# EAGLE board Mk4 Final Panel 8up 4x2 (EAGLE 9.0.1), part 4 of 23
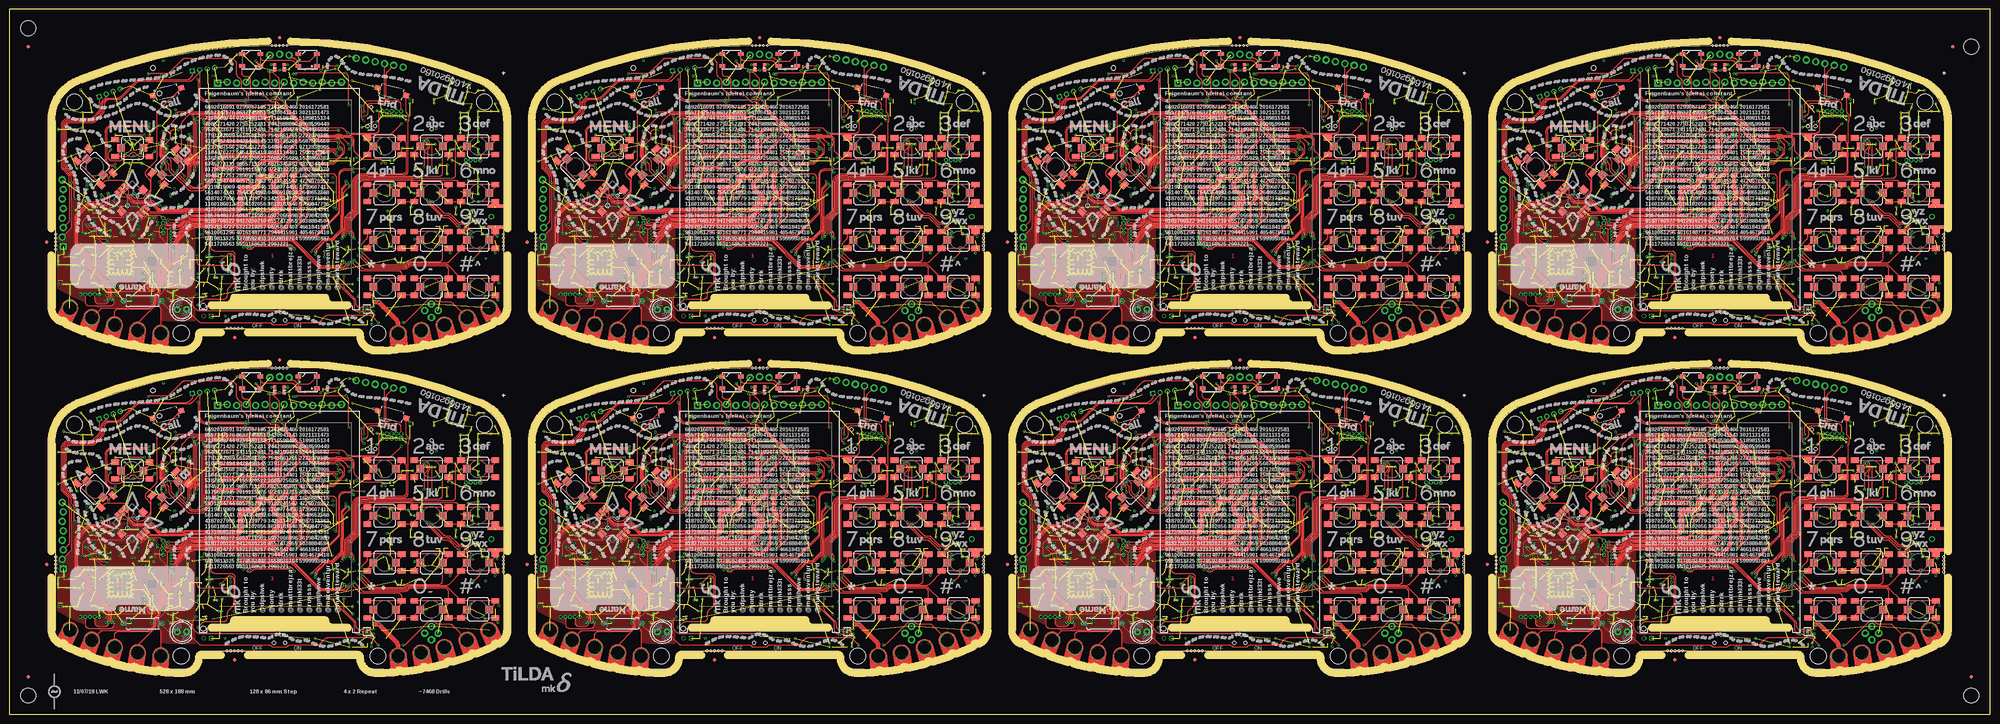
[diagram p0: board, top side]
## Placement (x,y rotation side) (continued)
S166  3X6X2.5  [TACTILE_SWITCH_SMD_3X6X2.5H]  468,106.25 180 bottom
S167  3X6X2.5  [TACTILE_SWITCH_SMD_3X6X2.5H]  444,106.25 180 bottom
S168  AYZ0202AGRLC  [AYZ-JS-COMBINED]  496.5,157.5 90 bottom
SW1  JOYSTICK  [JOYSTICK_MULTICOMP_NOSILK]  32.8,51 315 top
SW2  JOYSTICK  [JOYSTICK_MULTICOMP_NOSILK]  160.8,51 315 top
SW3  JOYSTICK  [JOYSTICK_MULTICOMP_NOSILK]  32.8,137 315 top
SW4  JOYSTICK  [JOYSTICK_MULTICOMP_NOSILK]  160.8,137 315 top
SW5  JOYSTICK  [JOYSTICK_MULTICOMP_NOSILK]  288.8,51 315 top
SW6  JOYSTICK  [JOYSTICK_MULTICOMP_NOSILK]  416.8,51 315 top
SW7  JOYSTICK  [JOYSTICK_MULTICOMP_NOSILK]  288.8,137 315 top
SW8  JOYSTICK  [JOYSTICK_MULTICOMP_NOSILK]  416.8,137 315 top
TP1  TP  [B1,27]  64.4,72.7 0 bottom
TP2  TP  [B1,27]  100,53.5 0 bottom
TP3  TP  [B1,27]  99.5,51.75 0 bottom
TP4  TP  [B1,27]  98.25,50.5 0 bottom
TP5  TP  [B1,27]  99.75,49.25 0 bottom
TP6  TP  [B1,27]  90,88 270 bottom
TP7  TP  [B1,27]  75.75,86 0 bottom
TP8  TP  [B1,27]  99.75,47.25 0 bottom
TP9  TP  [B1,27]  99.75,45.25 0 bottom
TP10  TP  [B1,27]  100,55.25 0 bottom
TP11  TP  [B1,27]  98,44.5 0 bottom
TP12  TP  [B1,27]  98.5,42.75 0 bottom
TP13  TP  [B1,27]  98.5,41 0 bottom
TP14  TP  [B1,27]  56,29 0 bottom
TP15  TP  [B1,27]  54,25.5 0 bottom
TP16  TP  [B1,27]  45.5,34 0 bottom
TP17  TP  [B1,27]  43.75,34 0 bottom
TP18  TP  [B1,27]  58,27.5 0 bottom
TP19  TP  [P1-06-OCT-CAN]  34.6,29.2 0 bottom
TP20  TP  [B1,27]  192.4,72.7 0 bottom
TP21  TP  [B1,27]  228,53.5 0 bottom
TP22  TP  [B1,27]  227.5,51.75 0 bottom
TP23  TP  [B1,27]  226.25,50.5 0 bottom
TP24  TP  [B1,27]  227.75,49.25 0 bottom
TP25  TP  [B1,27]  218,88 270 bottom
TP26  TP  [B1,27]  203.75,86 0 bottom
TP27  TP  [B1,27]  227.75,47.25 0 bottom
TP28  TP  [B1,27]  227.75,45.25 0 bottom
TP29  TP  [B1,27]  228,55.25 0 bottom
TP30  TP  [B1,27]  226,44.5 0 bottom
TP31  TP  [B1,27]  226.5,42.75 0 bottom
TP32  TP  [B1,27]  226.5,41 0 bottom
TP33  TP  [B1,27]  184,29 0 bottom
TP34  TP  [B1,27]  182,25.5 0 bottom
TP35  TP  [B1,27]  173.5,34 0 bottom
TP36  TP  [B1,27]  171.75,34 0 bottom
TP37  TP  [B1,27]  186,27.5 0 bottom
TP38  TP  [P1-06-OCT-CAN]  162.6,29.2 0 bottom
TP39  TP  [B1,27]  64.4,158.7 0 bottom
TP40  TP  [B1,27]  100,139.5 0 bottom
TP41  TP  [B1,27]  99.5,137.75 0 bottom
TP42  TP  [B1,27]  98.25,136.5 0 bottom
TP43  TP  [B1,27]  99.75,135.25 0 bottom
TP44  TP  [B1,27]  90,174 270 bottom
TP45  TP  [B1,27]  75.75,172 0 bottom
TP46  TP  [B1,27]  99.75,133.25 0 bottom
TP47  TP  [B1,27]  99.75,131.25 0 bottom
TP48  TP  [B1,27]  100,141.25 0 bottom
TP49  TP  [B1,27]  98,130.5 0 bottom
TP50  TP  [B1,27]  98.5,128.75 0 bottom
TP51  TP  [B1,27]  98.5,127 0 bottom
TP52  TP  [B1,27]  56,115 0 bottom
TP53  TP  [B1,27]  54,111.5 0 bottom
TP54  TP  [B1,27]  45.5,120 0 bottom
TP55  TP  [B1,27]  43.75,120 0 bottom
TP56  TP  [B1,27]  58,113.5 0 bottom
TP57  TP  [P1-06-OCT-CAN]  34.6,115.2 0 bottom
TP58  TP  [B1,27]  192.4,158.7 0 bottom
TP59  TP  [B1,27]  228,139.5 0 bottom
TP60  TP  [B1,27]  227.5,137.75 0 bottom
TP61  TP  [B1,27]  226.25,136.5 0 bottom
TP62  TP  [B1,27]  227.75,135.25 0 bottom
TP63  TP  [B1,27]  218,174 270 bottom
TP64  TP  [B1,27]  203.75,172 0 bottom
TP65  TP  [B1,27]  227.75,133.25 0 bottom
TP66  TP  [B1,27]  227.75,131.25 0 bottom
TP67  TP  [B1,27]  228,141.25 0 bottom
TP68  TP  [B1,27]  226,130.5 0 bottom
TP69  TP  [B1,27]  226.5,128.75 0 bottom
TP70  TP  [B1,27]  226.5,127 0 bottom
TP71  TP  [B1,27]  184,115 0 bottom
TP72  TP  [B1,27]  182,111.5 0 bottom
TP73  TP  [B1,27]  173.5,120 0 bottom
TP74  TP  [B1,27]  171.75,120 0 bottom
TP75  TP  [B1,27]  186,113.5 0 bottom
TP76  TP  [P1-06-OCT-CAN]  162.6,115.2 0 bottom
TP77  TP  [B1,27]  320.4,72.7 0 bottom
TP78  TP  [B1,27]  356,53.5 0 bottom
TP79  TP  [B1,27]  355.5,51.75 0 bottom
TP80  TP  [B1,27]  354.25,50.5 0 bottom
TP81  TP  [B1,27]  355.75,49.25 0 bottom
TP82  TP  [B1,27]  346,88 270 bottom
TP83  TP  [B1,27]  331.75,86 0 bottom
TP84  TP  [B1,27]  355.75,47.25 0 bottom
TP85  TP  [B1,27]  355.75,45.25 0 bottom
TP86  TP  [B1,27]  356,55.25 0 bottom
TP87  TP  [B1,27]  354,44.5 0 bottom
TP88  TP  [B1,27]  354.5,42.75 0 bottom
TP89  TP  [B1,27]  354.5,41 0 bottom
TP90  TP  [B1,27]  312,29 0 bottom
TP91  TP  [B1,27]  310,25.5 0 bottom
TP92  TP  [B1,27]  301.5,34 0 bottom
TP93  TP  [B1,27]  299.75,34 0 bottom
TP94  TP  [B1,27]  314,27.5 0 bottom
TP95  TP  [P1-06-OCT-CAN]  290.6,29.2 0 bottom
TP96  TP  [B1,27]  448.4,72.7 0 bottom
TP97  TP  [B1,27]  484,53.5 0 bottom
TP98  TP  [B1,27]  483.5,51.75 0 bottom
TP99  TP  [B1,27]  482.25,50.5 0 bottom
TP100  TP  [B1,27]  483.75,49.25 0 bottom
TP101  TP  [B1,27]  474,88 270 bottom
TP102  TP  [B1,27]  459.75,86 0 bottom
TP103  TP  [B1,27]  483.75,47.25 0 bottom
TP104  TP  [B1,27]  483.75,45.25 0 bottom
TP105  TP  [B1,27]  484,55.25 0 bottom
TP106  TP  [B1,27]  482,44.5 0 bottom
TP107  TP  [B1,27]  482.5,42.75 0 bottom
TP108  TP  [B1,27]  482.5,41 0 bottom
TP109  TP  [B1,27]  440,29 0 bottom
TP110  TP  [B1,27]  438,25.5 0 bottom
TP111  TP  [B1,27]  429.5,34 0 bottom
TP112  TP  [B1,27]  427.75,34 0 bottom
TP113  TP  [B1,27]  442,27.5 0 bottom
TP114  TP  [P1-06-OCT-CAN]  418.6,29.2 0 bottom
TP115  TP  [B1,27]  320.4,158.7 0 bottom
TP116  TP  [B1,27]  356,139.5 0 bottom
TP117  TP  [B1,27]  355.5,137.75 0 bottom
TP118  TP  [B1,27]  354.25,136.5 0 bottom
TP119  TP  [B1,27]  355.75,135.25 0 bottom
TP120  TP  [B1,27]  346,174 270 bottom
TP121  TP  [B1,27]  331.75,172 0 bottom
TP122  TP  [B1,27]  355.75,133.25 0 bottom
TP123  TP  [B1,27]  355.75,131.25 0 bottom
TP124  TP  [B1,27]  356,141.25 0 bottom
TP125  TP  [B1,27]  354,130.5 0 bottom
TP126  TP  [B1,27]  354.5,128.75 0 bottom
TP127  TP  [B1,27]  354.5,127 0 bottom
TP128  TP  [B1,27]  312,115 0 bottom
TP129  TP  [B1,27]  310,111.5 0 bottom
TP130  TP  [B1,27]  301.5,120 0 bottom
TP131  TP  [B1,27]  299.75,120 0 bottom
TP132  TP  [B1,27]  314,113.5 0 bottom
TP133  TP  [P1-06-OCT-CAN]  290.6,115.2 0 bottom
TP134  TP  [B1,27]  448.4,158.7 0 bottom
TP135  TP  [B1,27]  484,139.5 0 bottom
TP136  TP  [B1,27]  483.5,137.75 0 bottom
TP137  TP  [B1,27]  482.25,136.5 0 bottom
TP138  TP  [B1,27]  483.75,135.25 0 bottom
TP139  TP  [B1,27]  474,174 270 bottom
TP140  TP  [B1,27]  459.75,172 0 bottom
TP141  TP  [B1,27]  483.75,133.25 0 bottom
TP142  TP  [B1,27]  483.75,131.25 0 bottom
TP143  TP  [B1,27]  484,141.25 0 bottom
TP144  TP  [B1,27]  482,130.5 0 bottom
TP145  TP  [B1,27]  482.5,128.75 0 bottom
TP146  TP  [B1,27]  482.5,127 0 bottom
TP147  TP  [B1,27]  440,115 0 bottom
TP148  TP  [B1,27]  438,111.5 0 bottom
TP149  TP  [B1,27]  429.5,120 0 bottom
TP150  TP  [B1,27]  427.75,120 0 bottom
TP151  TP  [B1,27]  442,113.5 0 bottom
TP152  TP  [P1-06-OCT-CAN]  418.6,115.2 0 bottom
U1  ZX62-B-5PA(33)  [USB-AB-MICRO-SMD_LWK]  82.4,90 274 bottom
U2  ZX62-B-5PA(33)  [USB-AB-MICRO-SMD_LWK]  210.4,90 274 bottom
U3  MIC-6MM  [MIC-SMD-6MM]  235.5,82 270 bottom
U4  MIC-6MM  [MIC-SMD-6MM]  107.5,82 270 bottom
U5  LDMS1540S-01-R8-0.8-R  [SPEAKER-15MM-SMD]  20.25,66.5 270 bottom
U6  LDMS1540S-01-R8-0.8-R  [SPEAKER-15MM-SMD]  148.25,66.5 270 bottom
U7  ZX62-B-5PA(33)  [USB-AB-MICRO-SMD_LWK]  82.4,176 274 bottom
U8  MIC-6MM  [MIC-SMD-6MM]  107.5,168 270 bottom
U9  LDMS1540S-01-R8-0.8-R  [SPEAKER-15MM-SMD]  20.25,152.5 270 bottom
U10  ZX62-B-5PA(33)  [USB-AB-MICRO-SMD_LWK]  210.4,176 274 bottom
U11  MIC-6MM  [MIC-SMD-6MM]  235.5,168 270 bottom
U12  LDMS1540S-01-R8-0.8-R  [SPEAKER-15MM-SMD]  148.25,152.5 270 bottom
U13  ZX62-B-5PA(33)  [USB-AB-MICRO-SMD_LWK]  338.4,90 274 bottom
U14  MIC-6MM  [MIC-SMD-6MM]  363.5,82 270 bottom
U15  LDMS1540S-01-R8-0.8-R  [SPEAKER-15MM-SMD]  276.25,66.5 270 bottom
U16  ZX62-B-5PA(33)  [USB-AB-MICRO-SMD_LWK]  466.4,90 274 bottom
U17  MIC-6MM  [MIC-SMD-6MM]  491.5,82 270 bottom
U18  LDMS1540S-01-R8-0.8-R  [SPEAKER-15MM-SMD]  404.25,66.5 270 bottom
U19  ZX62-B-5PA(33)  [USB-AB-MICRO-SMD_LWK]  338.4,176 274 bottom
U20  MIC-6MM  [MIC-SMD-6MM]  363.5,168 270 bottom
U21  LDMS1540S-01-R8-0.8-R  [SPEAKER-15MM-SMD]  276.25,152.5 270 bottom
U22  ZX62-B-5PA(33)  [USB-AB-MICRO-SMD_LWK]  466.4,176 274 bottom
U23  MIC-6MM  [MIC-SMD-6MM]  491.5,168 270 bottom
U24  LDMS1540S-01-R8-0.8-R  [SPEAKER-15MM-SMD]  404.25,152.5 270 bottom
U$1  LOGO-SEEEDSTUDIO-SILK  [LOGO_SILK]  190,88 0 bottom
U$2  LOGO-SEEEDSTUDIO-SILK  [LOGO_SILK]  62,174 0 bottom
U$3  LOGO-SEEEDSTUDIO-SILK  [LOGO_SILK]  190,174 0 bottom
U$4  LOGO-SEEEDSTUDIO-SILK  [LOGO_SILK]  318,88 0 bottom
U$5  LOGO-SEEEDSTUDIO-SILK  [LOGO_SILK]  62,88 0 bottom
U$6  LOGO-SEEEDSTUDIO-SILK  [LOGO_SILK]  446,88 0 bottom
U$7  LOGO-SEEEDSTUDIO-SILK  [LOGO_SILK]  318,174 0 bottom
U$8  LOGO-SEEEDSTUDIO-SILK  [LOGO_SILK]  446,174 0 bottom
X1  ABS07-32.768KHZ-T  [RESONATOR_EPSON_FC_145]  66.4,76.75 180 bottom
X2  ABM8G-25.000MHZ-B4Y-T  [CRYSTAL-3.2-2.5]  74.75,78.55 180 bottom
X3  ABS07-32.768KHZ-T  [RESONATOR_EPSON_FC_145]  38,34.75 90 bottom
X4  ABM8-40.000MHZ-10-1-U-T  [CRYSTAL-3.2-2.5]  20.8,31.25 270 bottom
X5  ABS07-32.768KHZ-T  [RESONATOR_EPSON_FC_145]  194.4,76.75 180 bottom
X6  ABM8G-25.000MHZ-B4Y-T  [CRYSTAL-3.2-2.5]  202.75,78.55 180 bottom
X7  ABS07-32.768KHZ-T  [RESONATOR_EPSON_FC_145]  166,34.75 90 bottom
X8  ABM8-40.000MHZ-10-1-U-T  [CRYSTAL-3.2-2.5]  148.8,31.25 270 bottom
X9  ABS07-32.768KHZ-T  [RESONATOR_EPSON_FC_145]  66.4,162.75 180 bottom
X10  ABM8G-25.000MHZ-B4Y-T  [CRYSTAL-3.2-2.5]  74.75,164.55 180 bottom
X11  ABS07-32.768KHZ-T  [RESONATOR_EPSON_FC_145]  38,120.75 90 bottom
X12  ABM8-40.000MHZ-10-1-U-T  [CRYSTAL-3.2-2.5]  20.8,117.25 270 bottom
X13  ABS07-32.768KHZ-T  [RESONATOR_EPSON_FC_145]  194.4,162.75 180 bottom
X14  ABM8G-25.000MHZ-B4Y-T  [CRYSTAL-3.2-2.5]  202.75,164.55 180 bottom
X15  ABS07-32.768KHZ-T  [RESONATOR_EPSON_FC_145]  166,120.75 90 bottom
X16  ABM8-40.000MHZ-10-1-U-T  [CRYSTAL-3.2-2.5]  148.8,117.25 270 bottom
X17  ABS07-32.768KHZ-T  [RESONATOR_EPSON_FC_145]  322.4,76.75 180 bottom
X18  ABM8G-25.000MHZ-B4Y-T  [CRYSTAL-3.2-2.5]  330.75,78.55 180 bottom
X19  ABS07-32.768KHZ-T  [RESONATOR_EPSON_FC_145]  294,34.75 90 bottom
X20  ABM8-40.000MHZ-10-1-U-T  [CRYSTAL-3.2-2.5]  276.8,31.25 270 bottom
X21  ABS07-32.768KHZ-T  [RESONATOR_EPSON_FC_145]  450.4,76.75 180 bottom
X22  ABM8G-25.000MHZ-B4Y-T  [CRYSTAL-3.2-2.5]  458.75,78.55 180 bottom
X23  ABS07-32.768KHZ-T  [RESONATOR_EPSON_FC_145]  422,34.75 90 bottom
X24  ABM8-40.000MHZ-10-1-U-T  [CRYSTAL-3.2-2.5]  404.8,31.25 270 bottom
X25  ABS07-32.768KHZ-T  [RESONATOR_EPSON_FC_145]  322.4,162.75 180 bottom
X26  ABM8G-25.000MHZ-B4Y-T  [CRYSTAL-3.2-2.5]  330.75,164.55 180 bottom
X27  ABS07-32.768KHZ-T  [RESONATOR_EPSON_FC_145]  294,120.75 90 bottom
X28  ABM8-40.000MHZ-10-1-U-T  [CRYSTAL-3.2-2.5]  276.8,117.25 270 bottom
X29  ABS07-32.768KHZ-T  [RESONATOR_EPSON_FC_145]  450.4,162.75 180 bottom
X30  ABM8G-25.000MHZ-B4Y-T  [CRYSTAL-3.2-2.5]  458.75,164.55 180 bottom
X31  ABS07-32.768KHZ-T  [RESONATOR_EPSON_FC_145]  422,120.75 90 bottom
X32  ABM8-40.000MHZ-10-1-U-T  [CRYSTAL-3.2-2.5]  404.8,117.25 270 bottom

## Library data of the parts
ANT1-ANT16 ARTWORK3-ARTWORK7 ARTWORK10-ARTWORK14 ARTWORK17-ARTWORK21 ARTWORK24-ARTWORK28 ARTWORK31-ARTWORK35 ARTWORK38-ARTWORK42 ARTWORK45-ARTWORK49 ARTWORK52-ARTWORK56 BATT BATT1-BATT7 C1-C31 C33-C71 C78 C79 C81-C141 C143-C172 C179 C180 C182-C249 C251-C280 C287 C288 C290-C357 C359-C388 C395 C396 C398-C465 C467-C496 C503 C504 C506-C573 C575-C604 C611 C612 C614-C681 C683-C712 C719 C720 C722-C789 C791-C820 C827 C828 C830-C864 D1-D16 E$4 E$11 FL1-FL8 IC1-IC144 J1 J2 J4-J6 J8-J12 J14-J18 J20-J22 J24-J28 J30-J32 J34-J38 J40-J42 J44-J48 J50-J52 J54-J58 J60-J62 J64-J68 J70-J72 J74-J78 J80 JP1 JP5 JP6 JP8 JP15-JP18 JP24-JP27 JP33-JP36 JP42-JP45 JP51-JP54 JP60-JP63 JP69-JP72 L1-L72 LCD LCD1-LCD7 LED1 LED2 LED7 LED8 LED13 LED14 LED19 LED20 LED25 LED26 LED31 LED32 LED37 LED38 LED43 LED44 LOGO1-LOGO40 PCB PCB1-PCB7 Q1-Q32 R1-R10 R12-R74 R76-R94 R96-R155 R157-R172 R174-R233 R235-R250 R252-R311 R313-R328 R330-R389 R391-R406 R408-R467 R469-R484 R486-R545 R547-R562 R564-R623 S1-S19 S21-S40 S42-S61 S63-S82 S84-S103 S105-S124 S126-S145 S147-S166 S168 SW1-SW8 TP19 TP38 TP57 TP76 TP95 TP114 TP133 TP152 U1-U24 X1-X32 = TiLDA Mk4 Parts
ARTWORK1 ARTWORK2 ARTWORK8 ARTWORK9 ARTWORK15 ARTWORK16 ARTWORK22 ARTWORK23 ARTWORK29 ARTWORK30 ARTWORK36 ARTWORK37 ARTWORK43 ARTWORK44 ARTWORK50 ARTWORK51 C32 C72-C77 C80 C142 C173-C178 C181 C250 C281-C286 C289 C358 C389-C394 C397 C466 C497-C502 C505 C574 C605-C610 C613 C682 C713-C718 C721 C790 C821-C826 C829 FID1-FID48 J3 J13 J23 J33 J43 J53 J63 J73 JP2-JP4 JP7 JP9-JP14 JP19-JP23 JP28-JP32 JP37-JP41 JP46-JP50 JP55-JP59 JP64-JP68 LAYERS1-LAYERS8 LED5 LED11 LED17 LED23 LED29 LED35 LED41 LED47 R11 R75 R95 R156 R173 R234 R251 R312 R329 R390 R407 R468 R485 R546 R563 R624 S20 S41 S62 S83 S104 S125 S146 S167 = TiLDA Mk4 Parts; DNP: Y
E$1-E$3 E$5-E$10 = TiLDA Mk3 Parts
J7 J19 J29 J39 J49 J59 J69 J79 = CISECO eaglecad designs
LED3 LED6 LED9 LED12 LED15 LED18 LED21 LED24 LED27 LED30 LED33 LED36 LED39 LED42 LED45 LED48 = TiLDA Mk4 Parts; COLOUR: RED
LED4 LED10 LED16 LED22 LED28 LED34 LED40 LED46 = TiLDA Mk4 Parts; COLOUR: GREEN
TP1 TP20 TP39 TP58 TP77 TP96 TP115 TP134 = TiLDA Mk4 Parts; TP_SIGNAL_NAME: !HIB
TP2 TP21 TP40 TP59 TP78 TP97 TP116 TP135 = TiLDA Mk4 Parts; TP_SIGNAL_NAME: SIM_DTR
TP3 TP22 TP41 TP60 TP79 TP98 TP117 TP136 = TiLDA Mk4 Parts; TP_SIGNAL_NAME: SIM_DCD
TP4 TP23 TP42 TP61 TP80 TP99 TP118 TP137 = TiLDA Mk4 Parts; TP_SIGNAL_NAME: SIM_CTS
TP5 TP24 TP43 TP62 TP81 TP100 TP119 TP138 = TiLDA Mk4 Parts; TP_SIGNAL_NAME: SIM_RTS
TP6 TP25 TP44 TP63 TP82 TP101 TP120 TP139 = TiLDA Mk4 Parts; TP_SIGNAL_NAME: USB_ID
TP7 TP26 TP45 TP64 TP83 TP102 TP121 TP140 = TiLDA Mk4 Parts; TP_SIGNAL_NAME: USB_VBUS
TP8 TP27 TP46 TP65 TP84 TP103 TP122 TP141 = TiLDA Mk4 Parts; TP_SIGNAL_NAME: SIM_RXD
TP9 TP28 TP47 TP66 TP85 TP104 TP123 TP142 = TiLDA Mk4 Parts; TP_SIGNAL_NAME: SIM_TXD
TP10 TP29 TP48 TP67 TP86 TP105 TP124 TP143 = TiLDA Mk4 Parts; TP_SIGNAL_NAME: SIM_RI
TP11 TP30 TP49 TP68 TP87 TP106 TP125 TP144 = TiLDA Mk4 Parts; TP_SIGNAL_NAME: SIM_STATUS
TP12 TP31 TP50 TP69 TP88 TP107 TP126 TP145 = TiLDA Mk4 Parts; TP_SIGNAL_NAME: SIM_NETLIGHT
TP13 TP32 TP51 TP70 TP89 TP108 TP127 TP146 = TiLDA Mk4 Parts; TP_SIGNAL_NAME: SIM_PWR_KEY
TP14 TP33 TP52 TP71 TP90 TP109 TP128 TP147 = TiLDA Mk4 Parts; TP_SIGNAL_NAME: VBAT
TP15 TP34 TP53 TP72 TP91 TP110 TP129 TP148 = TiLDA Mk4 Parts; TP_SIGNAL_NAME: VBATT
TP16 TP35 TP54 TP73 TP92 TP111 TP130 TP149 = TiLDA Mk4 Parts; TP_SIGNAL_NAME: 3V3
TP17 TP36 TP55 TP74 TP93 TP112 TP131 TP150 = TiLDA Mk4 Parts; TP_SIGNAL_NAME: GND
TP18 TP37 TP56 TP75 TP94 TP113 TP132 TP151 = TiLDA Mk4 Parts; TP_SIGNAL_NAME: V_UNREG
U$1-U$8 = TiLDA Mk4 Parts; PARTNO: DNP

## Nets
3V1: C109.2 C110.2 C112.2 C113.2 C114.2 C115.2 C119.2 C120.2 C121.2 C122.2 C123.2 C124.2 C131.2 C132.2 C133.2 C134.2 C135.2 C136.2 C137.2 C138.2 C143.1 C145.1 C153.2 C154.2 C171.2 C172.2 C185.1 C186.2 C196.1 C197.1 C198.1 C199.1 C200.1 C201.1 C210.1 C211.1 C212.1 C215.1 C216.1 IC19.1 IC19.3 IC19.9 IC19.14 IC19.27 IC19.43 IC19.49 IC20.7 IC20.8 IC20.9 IC20.16 IC20.26 IC20.28 IC20.39 IC20.47 IC20.51 IC20.52 IC20.68 IC20.69 IC20.79 IC20.90 IC20.101 IC20.113 IC20.122 IC22.8 IC26.8 IC27.14 IC28.6 IC29.10 IC29.37 IC29.39 IC29.44 IC29.47 IC29.54 IC30.8 IC31.21 IC32.5 IC34.1 IC35.5 IC36.1 J6.1 J6.7 J6.8 J6.9 J6.35 J6.40 J6.41 J6.42 J13.1 J16.3 J16.7 J18.3 J18.7 J20.2 JP10.1 JP12.8 JP12.11 JP12.14 JP17.8 L11.2 PCB1.3V3 R88.2 R89.2 R93.1 R94.1 R95.2 R103.2 R104.2 R105.2 R106.2 R128.2 R134.2 R138.1 R144.1 R145.2 R146.2 R147.2 R151.2 R152.2 SW2.COM TP35.TP
3V2: C217.2 C218.2 C220.2 C221.2 C222.2 C223.2 C227.2 C228.2 C229.2 C230.2 C231.2 C232.2 C239.2 C240.2 C241.2 C242.2 C243.2 C244.2 C245.2 C246.2 C251.1 C253.1 C261.2 C262.2 C279.2 C280.2 C293.1 C294.2 C304.1 C305.1 C306.1 C307.1 C308.1 C309.1 C318.1 C319.1 C320.1 C323.1 C324.1 IC37.1 IC37.3 IC37.9 IC37.14 IC37.27 IC37.43 IC37.49 IC38.7 IC38.8 IC38.9 IC38.16 IC38.26 IC38.28 IC38.39 IC38.47 IC38.51 IC38.52 IC38.68 IC38.69 IC38.79 IC38.90 IC38.101 IC38.113 IC38.122 IC40.8 IC44.8 IC45.14 IC46.6 IC47.10 IC47.37 IC47.39 IC47.44 IC47.47 IC47.54 IC48.8 IC49.21 IC50.5 IC52.1 IC53.5 IC54.1 J21.1 J21.7 J21.8 J21.9 J21.35 J21.40 J21.41 J21.42 J23.1 J26.3 J26.7 J28.3 J28.7 J30.2 JP19.1 JP21.8 JP21.11 JP21.14 JP26.8 L20.2 PCB2.3V3 R166.2 R167.2 R171.1 R172.1 R173.2 R181.2 R182.2 R183.2 R184.2 R206.2 R212.2 R216.1 R222.1 R223.2 R224.2 R225.2 R229.2 R230.2 SW3.COM TP54.TP
3V3: C2.2 C3.2 C4.2 C5.2 C9.2 C10.2 C11.2 C12.2 C13.2 C14.2 C21.2 C22.2 C23.2 C24.2 C25.2 C26.2 C27.2 C28.2 C33.1 C38.2 C42.2 C43.2 C45.2 C47.1 C58.1 C59.2 C70.2 C71.2 C88.1 C89.1 C90.1 C91.1 C92.1 C93.1 C102.1 C103.1 C104.1 C107.1 C108.1 IC1.7 IC1.8 IC1.9 IC1.16 IC1.26 IC1.28 IC1.39 IC1.47 IC1.51 IC1.52 IC1.68 IC1.69 IC1.79 IC1.90 IC1.101 IC1.113 IC1.122 IC2.1 IC2.3 IC2.9 IC2.14 IC2.27 IC2.43 IC2.49 IC3.5 IC4.21 IC6.8 IC11.8 IC12.14 IC13.6 IC14.8 IC15.10 IC15.37 IC15.39 IC15.44 IC15.47 IC15.54 IC16.5 IC17.1 IC18.1 J2.1 J2.7 J2.8 J2.9 J2.35 J2.40 J2.41 J2.42 J3.1 J8.3 J8.7 J10.3 J10.7 J11.2 JP4.1 JP6.8 JP7.8 JP7.11 JP7.14 L4.2 PCB.3V3 R4.2 R5.2 R9.1 R10.1 R11.2 R21.2 R22.2 R23.2 R24.2 R50.2 R56.2 R60.1 R66.1 R67.2 R68.2 R69.2 R73.2 R76.2 SW1.COM TP16.TP
3V4: C325.2 C326.2 C328.2 C329.2 C330.2 C331.2 C335.2 C336.2 C337.2 C338.2 C339.2 C340.2 C347.2 C348.2 C349.2 C350.2 C351.2 C352.2 C353.2 C354.2 C359.1 C361.1 C369.2 C370.2 C387.2 C388.2 C401.1 C402.2 C412.1 C413.1 C414.1 C415.1 C416.1 C417.1 C426.1 C427.1 C428.1 C431.1 C432.1 IC55.1 IC55.3 IC55.9 IC55.14 IC55.27 IC55.43 IC55.49 IC56.7 IC56.8 IC56.9 IC56.16 IC56.26 IC56.28 IC56.39 IC56.47 IC56.51 IC56.52 IC56.68 IC56.69 IC56.79 IC56.90 IC56.101 IC56.113 IC56.122 IC58.8 IC62.8 IC63.14 IC64.6 IC65.10 IC65.37 IC65.39 IC65.44 IC65.47 IC65.54 IC66.8 IC67.21 IC68.5 IC70.1 IC71.5 IC72.1 J31.1 J31.7 J31.8 J31.9 J31.35 J31.40 J31.41 J31.42 J33.1 J36.3 J36.7 J38.3 J38.7 J40.2 JP28.1 JP30.8 JP30.11 JP30.14 JP35.8 L29.2 PCB3.3V3 R244.2 R245.2 R249.1 R250.1 R251.2 R259.2 R260.2 R261.2 R262.2 R284.2 R290.2 R294.1 R300.1 R301.2 R302.2 R303.2 R307.2 R308.2 SW4.COM TP73.TP
3V5: C433.2 C434.2 C436.2 C437.2 C438.2 C439.2 C443.2 C444.2 C445.2 C446.2 C447.2 C448.2 C455.2 C456.2 C457.2 C458.2 C459.2 C460.2 C461.2 C462.2 C467.1 C469.1 C477.2 C478.2 C495.2 C496.2 C509.1 C510.2 C520.1 C521.1 C522.1 C523.1 C524.1 C525.1 C534.1 C535.1 C536.1 C539.1 C540.1 IC73.1 IC73.3 IC73.9 IC73.14 IC73.27 IC73.43 IC73.49 IC74.7 IC74.8 IC74.9 IC74.16 IC74.26 IC74.28 IC74.39 IC74.47 IC74.51 IC74.52 IC74.68 IC74.69 IC74.79 IC74.90 IC74.101 IC74.113 IC74.122 IC76.8 IC80.8 IC81.14 IC82.6 IC83.10 IC83.37 IC83.39 IC83.44 IC83.47 IC83.54 IC84.8 IC85.21 IC86.5 IC88.1 IC89.5 IC90.1 J41.1 J41.7 J41.8 J41.9 J41.35 J41.40 J41.41 J41.42 J43.1 J46.3 J46.7 J48.3 J48.7 J50.2 JP37.1 JP39.8 JP39.11 JP39.14 JP44.8 L38.2 PCB4.3V3 R322.2 R323.2 R327.1 R328.1 R329.2 R337.2 R338.2 R339.2 R340.2 R362.2 R368.2 R372.1 R378.1 R379.2 R380.2 R381.2 R385.2 R386.2 SW5.COM TP92.TP
3V6: C541.2 C542.2 C544.2 C545.2 C546.2 C547.2 C551.2 C552.2 C553.2 C554.2 C555.2 C556.2 C563.2 C564.2 C565.2 C566.2 C567.2 C568.2 C569.2 C570.2 C575.1 C577.1 C585.2 C586.2 C603.2 C604.2 C617.1 C618.2 C628.1 C629.1 C630.1 C631.1 C632.1 C633.1 C642.1 C643.1 C644.1 C647.1 C648.1 IC91.1 IC91.3 IC91.9 IC91.14 IC91.27 IC91.43 IC91.49 IC92.7 IC92.8 IC92.9 IC92.16 IC92.26 IC92.28 IC92.39 IC92.47 IC92.51 IC92.52 IC92.68 IC92.69 IC92.79 IC92.90 IC92.101 IC92.113 IC92.122 IC94.8 IC98.8 IC99.14 IC100.6 IC101.10 IC101.37 IC101.39 IC101.44 IC101.47 IC101.54 IC102.8 IC103.21 IC104.5 IC106.1 IC107.5 IC108.1 J51.1 J51.7 J51.8 J51.9 J51.35 J51.40 J51.41 J51.42 J53.1 J56.3 J56.7 J58.3 J58.7 J60.2 JP46.1 JP48.8 JP48.11 JP48.14 JP53.8 L47.2 PCB5.3V3 R400.2 R401.2 R405.1 R406.1 R407.2 R415.2 R416.2 R417.2 R418.2 R440.2 R446.2 R450.1 R456.1 R457.2 R458.2 R459.2 R463.2 R464.2 SW6.COM TP111.TP
3V7: C649.2 C650.2 C652.2 C653.2 C654.2 C655.2 C659.2 C660.2 C661.2 C662.2 C663.2 C664.2 C671.2 C672.2 C673.2 C674.2 C675.2 C676.2 C677.2 C678.2 C683.1 C685.1 C693.2 C694.2 C711.2 C712.2 C725.1 C726.2 C736.1 C737.1 C738.1 C739.1 C740.1 C741.1 C750.1 C751.1 C752.1 C755.1 C756.1 IC109.1 IC109.3 IC109.9 IC109.14 IC109.27 IC109.43 IC109.49 IC110.7 IC110.8 IC110.9 IC110.16 IC110.26 IC110.28 IC110.39 IC110.47 IC110.51 IC110.52 IC110.68 IC110.69 IC110.79 IC110.90 IC110.101 IC110.113 IC110.122 IC112.8 IC116.8 IC117.14 IC118.6 IC119.10 IC119.37 IC119.39 IC119.44 IC119.47 IC119.54 IC120.8 IC121.21 IC122.5 IC124.1 IC125.5 IC126.1 J61.1 J61.7 J61.8 J61.9 J61.35 J61.40 J61.41 J61.42 J63.1 J66.3 J66.7 J68.3 J68.7 J70.2 JP55.1 JP57.8 JP57.11 JP57.14 JP62.8 L56.2 PCB6.3V3 R478.2 R479.2 R483.1 R484.1 R485.2 R493.2 R494.2 R495.2 R496.2 R518.2 R524.2 R528.1 R534.1 R535.2 R536.2 R537.2 R541.2 R542.2 SW7.COM TP130.TP
3V8: C757.2 C758.2 C760.2 C761.2 C762.2 C763.2 C767.2 C768.2 C769.2 C770.2 C771.2 C772.2 C779.2 C780.2 C781.2 C782.2 C783.2 C784.2 C785.2 C786.2 C791.1 C793.1 C801.2 C802.2 C819.2 C820.2 C833.1 C834.2 C844.1 C845.1 C846.1 C847.1 C848.1 C849.1 C858.1 C859.1 C860.1 C863.1 C864.1 IC127.1 IC127.3 IC127.9 IC127.14 IC127.27 IC127.43 IC127.49 IC128.7 IC128.8 IC128.9 IC128.16 IC128.26 IC128.28 IC128.39 IC128.47 IC128.51 IC128.52 IC128.68 IC128.69 IC128.79 IC128.90 IC128.101 IC128.113 IC128.122 IC130.8 IC134.8 IC135.14 IC136.6 IC137.10 IC137.37 IC137.39 IC137.44 IC137.47 IC137.54 IC138.8 IC139.21 IC140.5 IC142.1 IC143.5 IC144.1 J71.1 J71.7 J71.8 J71.9 J71.35 J71.40 J71.41 J71.42 J73.1 J76.3 J76.7 J78.3 J78.7 J80.2 JP64.1 JP66.8 JP66.11 JP66.14 JP71.8 L65.2 PCB7.3V3 R556.2 R557.2 R561.1 R562.1 R563.2 R571.2 R572.2 R573.2 R574.2 R596.2 R602.2 R606.1 R612.1 R613.2 R614.2 R615.2 R619.2 R620.2 SW8.COM TP149.TP
!HIB: IC1.65 TP1.TP
!HIB1: IC20.65 TP20.TP
!HIB2: IC38.65 TP39.TP
!HIB3: IC56.65 TP58.TP
!HIB4: IC74.65 TP77.TP
!HIB5: IC92.65 TP96.TP
!HIB6: IC110.65 TP115.TP
!HIB7: IC128.65 TP134.TP
!RESET: C15.2 IC1.70 J3.10 R4.1 S19.2
!RESET1: C125.2 IC20.70 J13.10 R88.1 S40.2
!RESET2: C233.2 IC38.70 J23.10 R166.1 S61.2
!RESET3: C341.2 IC56.70 J33.10 R244.1 S82.2
!RESET4: C449.2 IC74.70 J43.10 R322.1 S103.2
!RESET5: C557.2 IC92.70 J53.10 R400.1 S124.2
!RESET6: C665.2 IC110.70 J63.10 R478.1 S145.2
!RESET7: C773.2 IC128.70 J73.10 R556.1 S166.2
!WAKE: IC1.64 R5.1 S20.2
!WAKE1: IC20.64 R89.1 S41.2
!WAKE2: IC38.64 R167.1 S62.2
!WAKE3: IC56.64 R245.1 S83.2
!WAKE4: IC74.64 R323.1 S104.2
!WAKE5: IC92.64 R401.1 S125.2
!WAKE6: IC110.64 R479.1 S146.2
!WAKE7: IC128.64 R557.1 S167.2
ADC1_HALL: IC1.13 IC18.2
ADC1_HALL1: IC20.13 IC36.2
ADC1_HALL2: IC38.13 IC54.2
ADC1_HALL3: IC56.13 IC72.2
ADC1_HALL4: IC74.13 IC90.2
ADC1_HALL5: IC92.13 IC108.2
ADC1_HALL6: IC110.13 IC126.2
ADC1_HALL7: IC128.13 IC144.2
AIN6_SPK_ADC: IC1.126 IC11.7 R46.2
AIN6_SPK_ADC1: IC20.126 IC26.7 R127.2
AIN6_SPK_ADC2: IC38.126 IC44.7 R205.2
AIN6_SPK_ADC3: IC56.126 IC62.7 R283.2
AIN6_SPK_ADC4: IC74.126 IC80.7 R361.2
AIN6_SPK_ADC5: IC92.126 IC98.7 R439.2
AIN6_SPK_ADC6: IC110.126 IC116.7 R517.2
AIN6_SPK_ADC7: IC128.126 IC134.7 R595.2
AMP_!SHUTDOWN: IC1.46 IC13.1 R74.1
AMP_!SHUTDOWN1: IC20.46 IC28.1 R155.1
AMP_!SHUTDOWN2: IC38.46 IC46.1 R233.1
AMP_!SHUTDOWN3: IC56.46 IC64.1 R311.1
AMP_!SHUTDOWN4: IC74.46 IC82.1 R389.1
AMP_!SHUTDOWN5: IC92.46 IC100.1 R467.1
AMP_!SHUTDOWN6: IC110.46 IC118.1 R545.1
AMP_!SHUTDOWN7: IC128.46 IC136.1 R623.1
AMP_IN_N [Audio]: IC13.4 R58.2 R78.2
AMP_IN_N1 [Audio]: IC28.4 R136.2 R154.2
AMP_IN_N2 [Audio]: IC46.4 R214.2 R232.2
AMP_IN_N3 [Audio]: IC64.4 R292.2 R310.2
AMP_IN_N4 [Audio]: IC82.4 R370.2 R388.2
AMP_IN_N5 [Audio]: IC100.4 R448.2 R466.2
AMP_IN_N6 [Audio]: IC118.4 R526.2 R544.2
AMP_IN_N7 [Audio]: IC136.4 R604.2 R622.2
AMP_IN_P [Audio]: J9.2 J9.3 R57.2 R75.2 R77.2
AMP_IN_P1 [Audio]: J17.2 J17.3 R135.2 R153.2 R156.2
AMP_IN_P2 [Audio]: J27.2 J27.3 R213.2 R231.2 R234.2
AMP_IN_P3 [Audio]: J37.2 J37.3 R291.2 R309.2 R312.2
AMP_IN_P4 [Audio]: J47.2 J47.3 R369.2 R387.2 R390.2
AMP_IN_P5 [Audio]: J57.2 J57.3 R447.2 R465.2 R468.2
AMP_IN_P6 [Audio]: J67.2 J67.3 R525.2 R543.2 R546.2
AMP_IN_P7 [Audio]: J77.2 J77.3 R603.2 R621.2 R624.2
AMP_IN_R1_N: C106.1 R78.1
AMP_IN_R1_N1: C214.1 R154.1
AMP_IN_R1_N2: C322.1 R232.1
AMP_IN_R1_N3: C430.1 R310.1
AMP_IN_R1_N4: C538.1 R388.1
AMP_IN_R1_N5: C646.1 R466.1
AMP_IN_R1_N6: C754.1 R544.1
AMP_IN_R1_N7: C862.1 R622.1
AMP_IN_R1_P: C105.1 R77.1
AMP_IN_R1_P1: C213.1 R153.1
AMP_IN_R1_P2: C321.1 R231.1
AMP_IN_R1_P3: C429.1 R309.1
AMP_IN_R1_P4: C537.1 R387.1
AMP_IN_R1_P5: C645.1 R465.1
AMP_IN_R1_P6: C753.1 R543.1
AMP_IN_R1_P7: C861.1 R621.1